# Altium PCB praxis_top_level_pcbdoc_v1.PcbDoc (part 1 of 2) (continued)
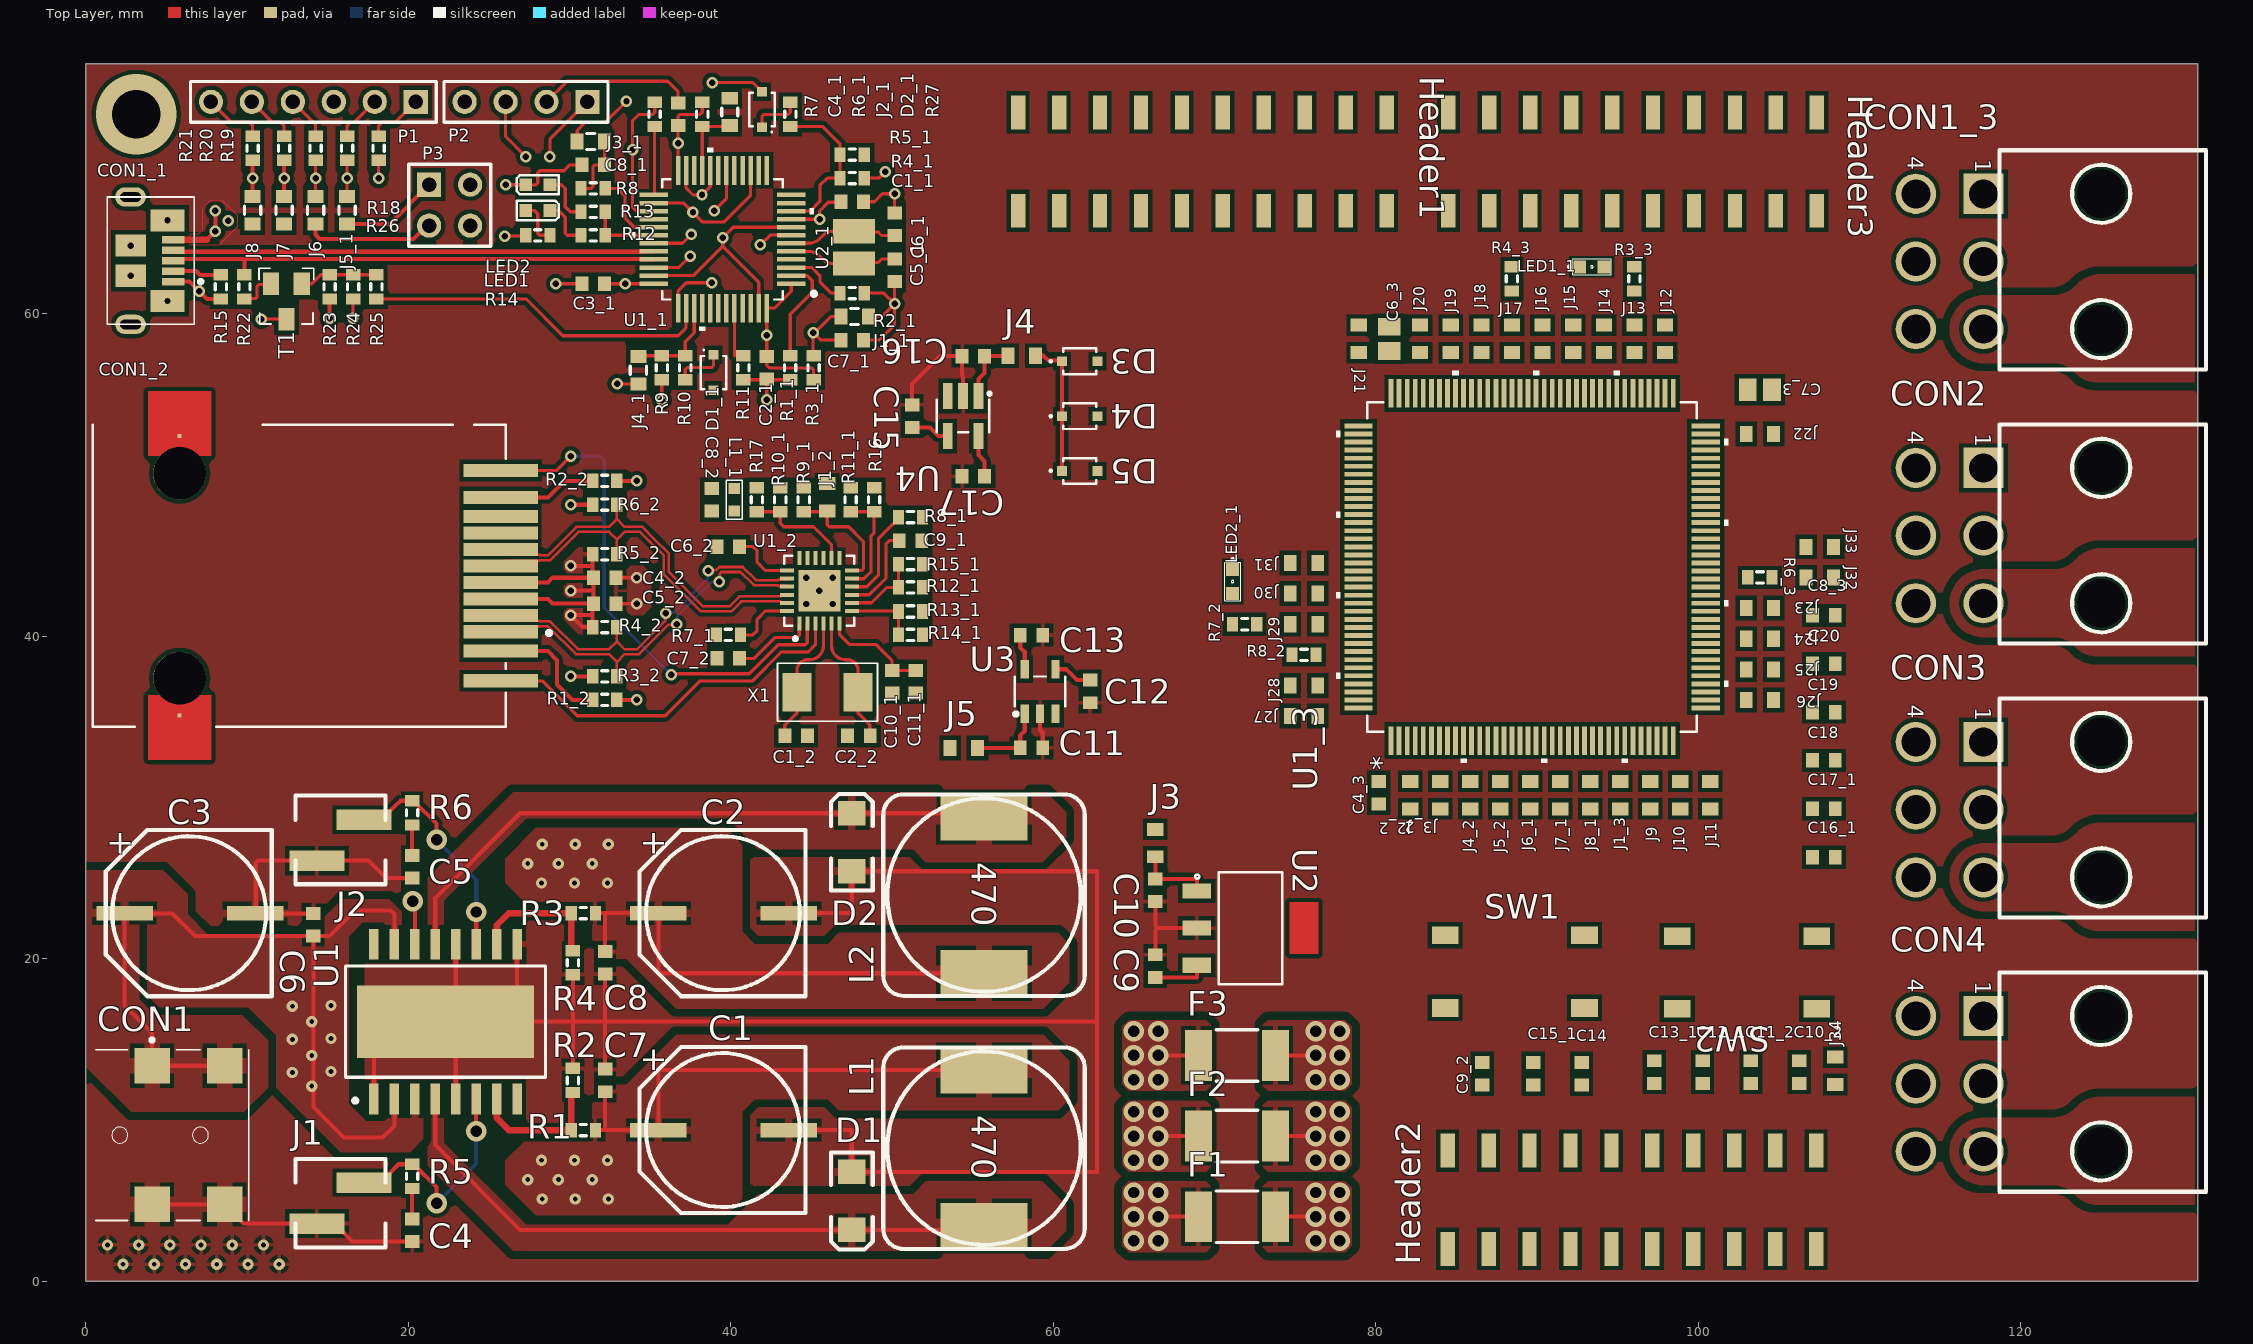
[diagram p0: Top Layer view]
## Footprints (in the part's own frame and the unit in brackets; to place one, negate y for a bottom-side part, rotate by r counter-clockwise, add the part's x,y. Pads: shape width x height; smd on the part's side, far side on the other; paste and mask are expansions set on the pad) (continued)
  silkscreen extent -228,-223 223,223, body extent -181,-181 181,181, height 63
STM32F746ZGT6 [mm]
  rect 1.762x0.299 smd paste+0 mask+0: 1(-10.769,8.75) 2(-10.769,8.25) 3(-10.769,7.75) 4(-10.769,7.25) 5(-10.769,6.75) 6(-10.769,6.25) 7(-10.769,5.75) 8(-10.769,5.25) 9(-10.769,4.75) 10(-10.769,4.25) 11(-10.769,3.75) 12(-10.769,3.25) 13(-10.769,2.75) 14(-10.769,2.25) 15(-10.769,1.75) 16(-10.769,1.25) 17(-10.769,0.75) 18(-10.769,0.25) 19(-10.769,-0.25) 20(-10.769,-0.75) 21(-10.769,-1.25) 22(-10.769,-1.75) 23(-10.769,-2.25) 24(-10.769,-2.75) 25(-10.769,-3.25) 26(-10.769,-3.75) 27(-10.769,-4.25) 28(-10.769,-4.75) 29(-10.769,-5.25) 30(-10.769,-5.75) 31(-10.769,-6.25) 32(-10.769,-6.75) 33(-10.769,-7.25) 34(-10.769,-7.75) 35(-10.769,-8.25) 36(-10.769,-8.75) 73(10.769,-8.75) 74(10.769,-8.25) 75(10.769,-7.75) 76(10.769,-7.25) 77(10.769,-6.75) 78(10.769,-6.25) 79(10.769,-5.75) 80(10.769,-5.25) 81(10.769,-4.75) 82(10.769,-4.25) 83(10.769,-3.75) 84(10.769,-3.25) 85(10.769,-2.75) 86(10.769,-2.25) 87(10.769,-1.75) 88(10.769,-1.25) 89(10.769,-0.75) 90(10.769,-0.25) 91(10.769,0.25) 92(10.769,0.75) 93(10.769,1.25) 94(10.769,1.75) 95(10.769,2.25) 96(10.769,2.75) 97(10.769,3.25) 98(10.769,3.75) 99(10.769,4.25) 100(10.769,4.75) 101(10.769,5.25) 102(10.769,5.75) 103(10.769,6.25) 104(10.769,6.75) 105(10.769,7.25) 106(10.769,7.75) 107(10.769,8.25) 108(10.769,8.75)
  rect 0.299x1.762 smd paste+0 mask+0: 37(-8.75,-10.769) 38(-8.25,-10.769) 39(-7.75,-10.769) 40(-7.25,-10.769) 41(-6.75,-10.769) 42(-6.25,-10.769) 43(-5.75,-10.769) 44(-5.25,-10.769) 45(-4.75,-10.769) 46(-4.25,-10.769) 47(-3.75,-10.769) 48(-3.25,-10.769) 49(-2.75,-10.769) 50(-2.25,-10.769) 51(-1.75,-10.769) 52(-1.25,-10.769) 53(-0.75,-10.769) 54(-0.25,-10.769) 55(0.25,-10.769) 56(0.75,-10.769) 57(1.25,-10.769) 58(1.75,-10.769) 59(2.25,-10.769) 60(2.75,-10.769) 61(3.25,-10.769) 62(3.75,-10.769) 63(4.25,-10.769) 64(4.75,-10.769) 65(5.25,-10.769) 66(5.75,-10.769) 67(6.25,-10.769) 68(6.75,-10.769) 69(7.25,-10.769) 70(7.75,-10.769) 71(8.25,-10.769) 72(8.75,-10.769) 109(8.75,10.769) 110(8.25,10.769) 111(7.75,10.769) 112(7.25,10.769) 113(6.75,10.769) 114(6.25,10.769) 115(5.75,10.769) 116(5.25,10.769) 117(4.75,10.769) 118(4.25,10.769) 119(3.75,10.769) 120(3.25,10.769) 121(2.75,10.769) 122(2.25,10.769) 123(1.75,10.769) 124(1.25,10.769) 125(0.75,10.769) 126(0.25,10.769) 127(-0.25,10.769) 128(-0.75,10.769) 129(-1.25,10.769) 130(-1.75,10.769) 131(-2.25,10.769) 132(-2.75,10.769) 133(-3.25,10.769) 134(-3.75,10.769) 135(-4.25,10.769) 136(-4.75,10.769) 137(-5.25,10.769) 138(-5.75,10.769) 139(-6.25,10.769) 140(-6.75,10.769) 141(-7.25,10.769) 142(-7.75,10.769) 143(-8.25,10.769) 144(-8.75,10.769)
  silkscreen extent -12.16,-12.16 12.16,12.16, body extent -11,-11 11,11, height 1.88
TVDM04 [mm]
  rect 1.65x1.1 smd: 1(0,4.5) 2(0,0) 3(8.65,4.5) 4(8.65,0)
  body extent -0.17,-0.77 8.82,5.22, height 4.3
USB_1051640001 [mm]
  rect 1.38x0.45 smd: 1(0,0) 2(0,0.65) 3(0,1.3) 4(0,1.95) 5(0,2.6)
  oval 1.9x1.2 hole 0.6 slot 1.3 at 0 deg: 6(-2.65,-2.65) 6(-2.65,5.25)
  rect 1.9x1.38 smd: 6(-2.65,0.36) 6(-2.65,2.24)
  rect 2.1x1.38 smd: 6(-0.36,-1.2) 6(-0.36,3.8)
  silkscreen extent -4.1,-2.65 1.8,5.25, body extent -5.1,-2.8 0.33,5.4, height 2.73

## Part data
C1 C2: "Capacitor 470uf electrolitico", Capacitance=470uF, Case/Package=Radial, ESR (Equivalent Series Resistance)=150mR, Leakage Current=3uA, Manufacturer=Panasonic, Max Operating Temperature=105°C, Min Operating Temperature=-40°C, Package Quantity=1, Ripple Current=670mA, Tolerance=20%, Voltage=25V, Category="Aluminum Electrolytic Capacitors", Contact Plating=Tin, Diameter=10mm, Height=10.2mm, Height - Seated (Max)=0.402inch, Impedance=150mR, Lead Diameter=0.9mm, Lead Free="Lead Free", Lead Pitch=4.6mm, Length=10.5mm, Life (Hours)=1000Hour, Manufacturer Part Number=EEEFC1E471P, Material=Aluminium, Mount="Surface Mount,PCB", Packaging="Tape and Reel", Radiation Hardening=No, REACH SVHC="No SVHC", Ripple Current (AC)=670mA, Termination=SMD/SMT, Voltage Rating=25V, Voltage Rating (DC)=25V, Width=900um
C1_1 C1_2 C2_1 C2_2 C3_1 C4 C4_1 C4_2 C4_3 C5 C5_1 C5_2 C6 C6_1 C6_2 C7 C7_1 C7_2 C8 C8_1 C8_2 C8_3 C9 C9_1 C9_2 C10 C10_1 C10_2 C11 C11_1 C11_2 C12 C12_1 C13 C13_1 C14 C15 C15_1 C16 C16_1 C17 C17_1 C18 C19 C20: "Capacitor (Semiconductor SIM Model)", LatestRevisionDate=29-May-2009, LatestRevisionNote="IPC-7351 Footprint Added.", PackageDescription="Chip Capacitor", PackageReference=C1206, Published=8-Jun-2000, Publisher="Altium Limited"
C3: "Capacitor 220uf electrolitico", Capacitance=220uF, Case/Package=Radial, Dielectric Material=Aluminium, ESR (Equivalent Series Resistance)=180mR, Leakage Current=3uA, Manufacturer=Panasonic, Manufacturer Part Number=EEE-FK1H221P, Max Operating Temperature=105°C, Min Operating Temperature=-55°C, Package Quantity=500, Ripple Current=670mA, Tolerance=20%, Voltage=50V, Category="Aluminum Electrolytic Capacitors", Contact Plating=Tin, Diameter=10mm, Height=10.2mm, Height - Seated (Max)=0.413inch, Impedance=180mR, Lead Free="Lead Free", Length=10.2mm, Life (Hours)=2000Hour, Material=Aluminium, Mount="Surface Mount,PCB", Number of Pins=2, Packaging="Tape and Reel", Polarity=Polar, Radiation Hardening=No, REACH SVHC="No SVHC", Ripple Current (AC)=670mA, Termination=SMD/SMT, Voltage Rating=50V, Voltage Rating (DC)=50V, Width=12mm
C6_3 C7_3: "Polarized Capacitor (Surface Mount)", LatestRevisionDate=29-May-2009, LatestRevisionNote="IPC-7351 Footprint Added.", PackageDescription="Chip Capacitor", PackageReference=C0805, Published=8-Jun-2000, Publisher="Altium Limited"
CON1: library part 694103107102, "CONN PWR JACK DC RA SMD", Color=Black, Current Rating=5A, Flammability Rating="UL94 V-0", Insulation Resistance=100MR, Manufacturer="Wurth Electronics", Max Operating Temperature=85°C, Min Operating Temperature=-40°C, Package Quantity=500, Voltage Rating=18V, Category=Connectors, ComponentLink1Description=http://www.mouser.com/ds/2/445/6941xx107102-469263.pdf?src-supplier=Mouser, ComponentLink1URL=http://www.mouser.com/ds/2/445/6941xx107102-469263.pdf?src-supplier=Mouser, ComponentLink2Description=http://www.farnell.com/cad/2130962.pdf?src-supplier=Element14, ComponentLink2URL=http://www.farnell.com/cad/2130962.pdf?src-supplier=Element14, Connector Type=Jack,Power, Contact Gender=Female, Contact Material="Copper Alloy", Contact Plating=Tin, Gender=Male, Housing Material=Polyamide, Manufacturer Part Number=694103107102, Mount="Surface Mount", Packaging="Tape and Reel", Pricing 1="1=1,56000, 10=1,48500, 50=1,32600, 100=1,22000 (USD)", REACH SVHC=Unknown, RoHS=Yes, Shielding=Unshielded, Stock 1=467, Supplier 1=Digi-Key, Termination=SMD/SMT, Voltage Rating (DC)=18V
CON1_1: "USB MICRO", Color=Black, Current Rating=1.8A, Flammability Rating="UL94 V-0", Manufacturer=Molex, Manufacturer Part Number=105164-0001, Max Operating Temperature=85°C, Max Voltage Rating (AC)=30V, Min Operating Temperature=-35°C, Package Quantity=6500, Category="USB Connectors", Connector Type=USB, Contact Material="Copper Alloy", Contact Plating=Gold, Depth=5.15mm, Gender=Receptacle, Halogen Free="Low Halogen", Housing Material=Polymer, Insulation Color=Black, Length=7.5mm, Mating Cycles=10000, Mount="Surface Mount,Through Hole,Horizontal", Number of Circuits=5, Number of Contacts=5, Number of Ports=1, Number of Terminals=5, Orientation="Right Angle", Packaging="Tape and Reel", Pitch=0.65mm, Plating=Tin, Radiation Hardening=No, REACH SVHC="No SVHC", Shielding=Shielded, Supplier 1=Digi-Key, Termination=Solder, USB Standard="USB 2.0", Voltage Rating (AC)=30V
CON1_2: library part ARJE-0034_MOD, "CONECTOR RJ45 MAGNETICO", Color=Green,Yellow, Current Rating=8mA, Manufacturer=Abracon, Max Operating Temperature=70°C, Min Operating Temperature=0°C, Package Quantity=1, Category="Modular / Ethernet Connectors", Connector Type=RJ45, Direction=Up, Gender=Male, Lead Free="Lead Free", Manufacturer Part Number=ARJE-0034, Mount="Surface Mount", Number of Contacts=8, Number of Cores per Jack=4, Number of Ports=1, Number of Positions=12, Number of Rows=1, Orientation="Right Angle", Packaging="Tape and Reel", Pitch=1.02mm, Radiation Hardening=No, Shielding=Shielded, Termination=Solder
CON1_3 CON2 CON3 CON4: "Conector hembra de 6 posiciones molex", Current Rating=8A, Manufacturer=Molex, Manufacturer Part Number=45732-0001, Max Operating Temperature=105°C, Min Operating Temperature=-40°C, Package Quantity=300, Voltage Rating=600V, Category="Headers and Wire Housings", Contact Material=Brass, Contact Plating=Tin, Gender=Male, Housing Material=Thermoplastic, Mount="Through Hole", Number of Contacts=6, Number of Positions=6, Number of Rows=2, Orientation="Right Angle", Packaging=Tray, Pitch=4.2mm, Radiation Hardening=No, Row Spacing=4.2mm, Termination=Solder
D1 D2: "Diodo schottky 60V 2A", Average Rectified Current=2A, Case/Package=SMA, Forward Voltage=750mV, Manufacturer=Vishay, Manufacturer Part Number="SS26SHE3\"A/H", Max Forward Surge Current (Ifsm)=40A, Max Operating Temperature=150°C, Max Repetitive Reverse Voltage (Vrrm)=60V, Min Operating Temperature=-55°C, Package Quantity=1800, Peak Reverse Current=10mA, Category="Rectifier Diodes", Element Configuration=Single, Forward Current=2A, Height=2.29mm, Lead Free="Lead Free", Length=4.5mm, Max Reverse Voltage (DC)=60V, Mount="Surface Mount", Number of Pins=2, Packaging="Tape and Reel", Peak Non-Repetitive Surge Current=40A, Radiation Hardening=No, Reverse Voltage (DC)=60V, Termination=SMD/SMT, Weight=0.001199oz, Width=2.79mm
D1_1 D2_1 D3 D4 D5: "DIODO SCHOTTKY", Manufacturer=Nexperia, Manufacturer Part Number=PMEG1030EJ,115
Header1 Header2 Header3: "Header Female 20 pins - double row smd"
J1 J2: "JUMPER SMD Pitch  2.54mm", Color=Black, Manufacturer=Samtec, Manufacturer Part Number=TSM-102-01-L-SV-TR, Max Current Rating=7A, Max Operating Temperature=125°C, Max Voltage Rating (AC)=475V, Min Operating Temperature=-55°C, Category="Headers and Wire Housings", Connector Type="Male Pin", Contact Material=Bronze, Contact Mating Length=0.23inch, Contact Plating=Gold, Depth=2.54mm, Gender=Male, Housing Color=Black, Housing Material=Polymer, Lead Free="Lead Free", Length=5.08mm, Mount="Surface Mount", Number of Contacts=2, Number of Positions=2, Number of Rows=1, Orientation=Straight, Packaging="Tape and Reel", Pitch=2.54mm, Radiation Hardening=No, REACH SVHC="No SVHC", Termination=Solder
L1 L2: "Inductor fijo con nucleo.", Case/Package=Nonstandard, Current Rating=2A, DC Resistance (DCR)=135mR, Frequency=13MHz, Inductance=47uH, Inductance Tolerance=20%, Manufacturer=Bourns, Max Operating Temperature=125°C, Min Operating Temperature=-40°C, Package Quantity=800, Resistance=135MR, Saturation Current=1.8A, Test Frequency=100kHz, Category="Fixed Inductors", Composition=Wirewound, Core Material=Ferrite, DC Current=2A, Depth=12.8mm, Height=4mm, Height - Seated (Max)=0.177inch, Length=12.5mm, Manufacturer Part Number=SRR1240-470M, Material=Steel, Max DC Current=2A, Military Standard=Not, Mount="Surface Mount", Packaging="Cut Tape", Q Factor=19, Radiation Hardening=No, REACH SVHC="No SVHC", RMS Current (Irms)=2A, Self Resonant Frequency=13MHz, Shielding=Shielded, Termination=SMD/SMT, Tolerance=20%, Width=12.5mm
L1_1: "FIXED IND 100UH 80MA 5.5 OHM SMD", Case Code (Imperial)=0603, Case Code (Metric)=1608, Current Rating=25mA, DC Current=80mA, DC Resistance (DCR)=5.5R, Inductance=100uH, Manufacturer=TDK, Manufacturer Part Number=GLFR1608T101M-LR, Max Operating Temperature=105°C, Min Operating Temperature=-40°C, Package Quantity=4000, Tolerance=20%, Case/Package=0603, Category="Fixed Inductors", ComponentLink1Description=https://datasheet.ciiva.com/1040/glfrseries-1040797.pdf?src-supplier=Digi-Key, ComponentLink1URL=https://datasheet.ciiva.com/1040/glfrseries-1040797.pdf?src-supplier=Digi-Key, ComponentLink2Description=https://datasheet.ciiva.com/1040/glfrseries-1040798.pdf?src-supplier=Digi-Key, ComponentLink2URL=https://datasheet.ciiva.com/1040/glfrseries-1040798.pdf?src-supplier=Digi-Key, ComponentLink3Description=https://datasheet.ciiva.com/1040/glfrseries-1040799.pdf?src-supplier=Digi-Key, ComponentLink3URL=https://datasheet.ciiva.com/1040/glfrseries-1040799.pdf?src-supplier=Digi-Key, Depth=1mm, Height=0.031inch, Lead Free="Lead Free", Length=0.063inch, Max DC Current=80mA, Military Standard=Not, Mount="Surface Mount", Packaging="Tape and Reel", Pricing 1="1=0,27000, 10=0,24400, 100=0,16760, 500=0,14324, 1000=0,10971 (USD)", RoHS=Yes, Saturation Current=25mA, Shielding=Shielded, Stock 1=31108, Supplier 1=Digi-Key, Termination=SMD/SMT, Width=0.8mm
LED1: "DIODO LED VERDE", Case Code (Imperial)=0603, Case Code (Metric)=1608, Color=Green, Forward Current=25mA, Forward Voltage=3.2V, Lens Color=Colorless, Manufacturer="Vishay Lite-On", Max Operating Temperature=80°C, Min Operating Temperature=-20°C, Package Quantity=1, Power Dissipation=76mW, Reverse Voltage=5V, Test Current=20mA, Case/Package=0603, Category=LEDs, Depth=0.8mm, Dominant Wavelength=530nm, Height=0.55mm, Illumination Color=Green, Lead Free="Lead Free", Length=1.6mm, Lens Style=Clear,Diffused,Colorless,Rectangular, Lens Transparency=Clear, Luminous Intensity=450mcd, Manufacturer Part Number=LTST-C191TGKT, Mount="Surface Mount", Number of Elements=1, Number of LEDs=1, Number of Pins=2, Packaging="Tape and Reel", Radiation Hardening=No, Viewing Angle=130°, Wavelength=530nm, Width=0.8mm
LED1_1 LED2 LED2_1: "DIODO LED ROJO", Case Code (Imperial)=0603, Case Code (Metric)=1608, Color=Red, Forward Current=30mA, Forward Voltage=2V, Lens Color=Colorless, Manufacturer="Vishay Lite-On", Max Operating Temperature=85°C, Min Operating Temperature=-55°C, Package Quantity=1, Power Dissipation=75mW, Reverse Voltage=5V, Test Current=20mA, Case/Package=0603, Category=LEDs, Depth=0.8mm, Dominant Wavelength=631nm, Height=0.55mm, Illumination Color=Red, Lead Free="Lead Free", Length=1.6mm, Lens Style=Clear,Diffused,Colorless,Rectangular, Lens Transparency=Clear, Luminous Intensity=54mcd, Manufacturer Part Number=LTST-C191KRKT, Mount="Surface Mount", Number of Elements=1, Number of LEDs=1, Number of Pins=2, Packaging="Tape and Reel", Power Rating=75mW, Radiation Hardening=No, Viewing Angle=130°, Voltage=2V, Wavelength=639nm, Width=0.8mm
P1: "Header, 6-Pin", LatestRevisionDate=17-Jul-2002, LatestRevisionNote="Re-released for DXP Platform.", Publisher="Altium Limited"
P2: "Header, 4-Pin", LatestRevisionDate=17-Jul-2002, LatestRevisionNote="Re-released for DXP Platform.", Publisher="Altium Limited"
P3: "Header, 2-Pin X 2"
R1 R1_1 R1_2 R2 R2_1 R2_2 R3 R3_1 R3_2 R4 R4_1 R4_2 R5 R5_1 R5_2 R6 R6_1 R6_2 R7 R7_1 R8 R8_1 R8_2 R9 R9_1 R10 R10_1 R11 R11_1 R12 R12_1 R13 R13_1 R14 R14_1 R15 R15_1 R16 R17 R18 R19 R20 R21 R22 R23 R24 R25 R26 R27: "Resistor", LatestRevisionDate=29-May-2009, LatestRevisionNote="IPC-7351 Footprint Added.", PackageDescription="Chip Resistor", PackageReference=J1-0603, Published=8-Jun-2000, Publisher="Altium Limited"
R3_3 R4_3 R6_3 R7_2: library part Res3, "Resistor", LatestRevisionDate=29-May-2009, LatestRevisionNote="IPC-7351 Footprint Added.", PackageDescription="Chip Resistor", PackageReference=J1-0603, Published=8-Jun-2000, Publisher="Altium Limited"
SW1 SW2: library part SWITCH, "TVDM04"
T1: "Transistor NPN 40V 0.8A SOT23", Case/Package=SOT-23, Collector Emitter Breakdown Voltage=40V, Current Rating=800mA, Manufacturer=Philips, Power Dissipation=350mW, Category=BJTs, Lead Free="Lead Free", Manufacturer Part Number=BSR14, Number of Pins=3, Packaging="Cut Tape", Polarity=NPN, REACH SVHC="No SVHC", Voltage Rating (DC)=40V
U1: library part SPI-8001TW-TL, "IC REG BUCK ADJ 1.5A DL 16-HSOP", Case/Package=SOIC, Manufacturer="Allegro MicroSystems Sanken", Max Input Voltage=20V, Max Operating Temperature=135°C, Max Output Voltage=16V, Min Input Voltage=4V, Min Operating Temperature=-30°C, Min Output Voltage=1V, Output Current=1.5A, Package Quantity=1400, Supplier Part Number 1=SPI-8001TW-TLCT-ND, Switching Frequency=250kHz, Category="Voltage Regulators - Switching", ComponentLink1Description=https://datasheet.ciiva.com/29734/spi-8001tw-ds-en-29734001.pdf?src-supplier=Digi-Key, ComponentLink1URL=https://datasheet.ciiva.com/29734/spi-8001tw-ds-en-29734001.pdf?src-supplier=Digi-Key, ComponentLink2Description=https://datasheet.ciiva.com/29733/h1-o03eh0-29733998.pdf?src-supplier=Digi-Key, ComponentLink2URL=https://datasheet.ciiva.com/29733/h1-o03eh0-29733998.pdf?src-supplier=Digi-Key, ComponentLink3Description=https://datasheet.ciiva.com/29733/h1-o03eh0-29733994.pdf?src-supplier=Digi-Key, ComponentLink3URL=https://datasheet.ciiva.com/29733/h1-o03eh0-29733994.pdf?src-supplier=Digi-Key, Manufacturer Part Number=SPI-8001TW-TL, Mount="Surface Mount", Number of Outputs=2, Number of Pins=16, Output Configuration=Positive, Output Type=Adjustable, Packaging="Tape and Reel", Pricing 1="1=3,10000, 10=2,78500, 25=2,63240, 100=2,16450, 250=1,94220, 500=1,87200 (USD)", RoHS=Yes, Stock 1=1392, Supplier 1=Digi-Key, Synchronous Rectifier=No
U1_1: Case/Package=LQFP, Frequency=72MHz, Manufacturer=STMicroelectronics, Max Operating Temperature=85°C, Max Power Dissipation=363mW, Max Supply Voltage=3.6V, Min Operating Temperature=-40°C, Min Supply Voltage=2V, Package Quantity=250, Address Bus Width=32b, Category=Microcontrollers, Contact Plating=Gold, Core Architecture=ARM, Data Bus Width=32b, Density=128KB, Height=1.45mm, Interface=I2C,SPI,USB,CAN,IrDA,UART,USART,LIN, Lead Free="Lead Free", Length=7mm, Manufacturer Part Number=STM32F103CBT6, Max Frequency=72MHz, Memory Size=128KB, Memory Type=FLASH, Number of ADC Channels=10, Number of Bits=32, Number of I2C Channels=2, Number of I/Os=37, Number of Pins=48, Number of Programmable I/O=37, Number of PWM Channels=12, Number of SPI Channels=2, Number of Timers/Counters=4, Oscillator Type=Internal, Packaging=Tray, Peripherals="POR,PWM,WDT,DMA,Temp Sensor,I2C", Radiation Hardening=No, RAM Size=20KB, REACH SVHC="No SVHC", Termination=SMD/SMT, Watchdog Timer=Yes, Width=7.2mm
U1_2: library part LAN8742A-CZ_MOD, "IC TRANSCEIVER 1/1 24SQFN", Manufacturer=Microchip, Category="Interface ICs", Manufacturer Part Number=LAN8742A-CZ
U1_3: "ARM Microcontrollers - MCU High-performance and DSP with FPU, ARM Cortex-M7 MCU with 1 Mbytes Flash, 200 MHz CPU, Art Accelerator, L1 cache, SDRAM", Case/Package=LQFP, Frequency=216MHz, Manufacturer=STMicroelectronics, Max Operating Temperature=85°C, Max Supply Voltage=3.6V, Min Operating Temperature=-40°C, Min Supply Voltage=1.7V, Category=Microcontrollers, ComponentLink1Description=http://www.alliedelec.com/images/products/datasheets/bm/STMICROELECTRONICS/70612621.pdf?src-supplier=Allied+Electronics, ComponentLink1URL=http://www.alliedelec.com/images/products/datasheets/bm/STMICROELECTRONICS/70612621.pdf?src-supplier=Allied+Electronics, ComponentLink2Description=http://www.farnell.com/datasheets/2309059.pdf?src-supplier=Farnell, ComponentLink2URL=http://www.farnell.com/datasheets/2309059.pdf?src-supplier=Farnell, ComponentLink3Description=http://www.mouser.com/ds/2/389/stm32f745ie-956321.pdf?src-supplier=Mouser, ComponentLink3URL=http://www.mouser.com/ds/2/389/stm32f745ie-956321.pdf?src-supplier=Mouser, ComponentLink4Description=http://www.st.com/content/ccc/resource/technical/document/errata_sheet/4d/39/a6/8c/84/47/47/67/DM00145382.pdf/files/DM00145382.pdf/jcr:content/translations/en.DM00145382.pdf?src-supplier=Digi-Key, ComponentLink4URL=http://www.st.com/content/ccc/resource/technical/document/errata_sheet/4d/39/a6/8c/84/47/47/67/DM00145382.pdf/files/DM00145382.pdf/jcr:content/translations/en.DM00145382.pdf?src-supplier=Digi-Key, ComponentLink5Description=http://www.farnell.com/datasheets/2309059.pdf?src-supplier=Newark, ComponentLink5URL=http://www.farnell.com/datasheets/2309059.pdf?src-supplier=Newark, ComponentLink6Description=http://www.farnell.com/datasheets/2006547.pdf?src-supplier=Element14, ComponentLink6URL=http://www.farnell.com/datasheets/2006547.pdf?src-supplier=Element14, Core Architecture=ARM, Data Bus Width=32b, Data Rate=480Mbps, Height=1.45mm, Interface=I2C,SPI,USB,CAN,Ethernet,IrDA,SD,UART,USART,LIN,EBI/EMI, Lead Free="Lead Free", Length=20.2mm, Manufacturer Part Number=STM32F746ZGT6, Max Frequency=216MHz, Memory Size=1MB, Memory Type=FLASH,OTP, Mount="Surface Mount", Number of ADC Channels=24, Number of I/Os=114, Number of Pins=144, Number of PWM Channels=6, Number of Timers/Counters=15, Number of USB Channels=2, Oscillator Type=Internal, Packaging=Tray, Peripherals="Brown-out Detect/Reset,POR,PWM,WDT,DMA,LCD", Pricing 1="60=9,23015, 62=8,97375, 122=8,73122, 300=8,50146, 600=8,28347 (USD)", RAM Size=320KB, REACH SVHC="No SVHC", RoHS=Yes, Stock 1=360, Supplier 1=Avnet, Supplier Part Number 1=STM32F746ZGT6, Width=20.2mm
U2: "MCP1825 Series 500 mA Low Quiescent Current LDO Regulator - SOT-223-3", Manufacturer=Microchip, Manufacturer Part Number=MCP1825S-3302E/DB, Supplier Part Number 1=MCP1825S-3302E/DB-ND, Category="Voltage Regulators - Linear", ComponentLink1Description=https://datasheet.ciiva.com/2040/22056b-2040962.pdf?src-supplier=Digi-Key, ComponentLink1URL=https://datasheet.ciiva.com/2040/22056b-2040962.pdf?src-supplier=Digi-Key, ComponentLink2Description=https://datasheet.ciiva.com/16369/filehandler-aspxddocname-en531698-16369574.pdf?src-supplier=Future+Electronics, ComponentLink2URL=https://datasheet.ciiva.com/16369/filehandler-aspxddocname-en531698-16369574.pdf?src-supplier=Future+Electronics, ComponentLink3Description=https://datasheet.ciiva.com/3224/22056b-3224139.pdf?src-supplier=Avnet, ComponentLink3URL=https://datasheet.ciiva.com/3224/22056b-3224139.pdf?src-supplier=Avnet, ComponentLink4Description=https://datasheet.ciiva.com/8041/514217-8041499.pdf?src-supplier=Element14, ComponentLink4URL=https://datasheet.ciiva.com/8041/514217-8041499.pdf?src-supplier=Element14, Pricing 1="1=0,51000, 25=0,43000, 100=0,39000 (USD)", RoHS=Yes, Stock 1=2086, Supplier 1=Digi-Key
U2_1: library part NX3225GD-8MHZ, "CRISTAL 8MHZ SMD", Case/Package=SMD/SMT, ESR (Equivalent Series Resistance)=500R, Frequency=8MHz, Frequency Stability=150ppm, Frequency Tolerance=50ppm, Load Capacitance=8pF, Manufacturer=NDK, Manufacturer Part Number=NX3225GD-8MHZ-STD-CRA-3, Max Operating Temperature=150°C, Min Operating Temperature=-40°C, Package Quantity=3000, Category=Crystals, Height=0.039inch, Length=0.126inch, Mount="Surface Mount", Number of Pins=2, Packaging="Tape and Reel", Width=0.098inch
U3: "LDO VOLT REG, 0.15A, 3.3V, TSOT-23-5; Input Voltage Min:2.3V; Input Voltage Max:5.5V; Output Voltage Nom.:3.3V; Output Current:150mA; Dropout Voltage Vdo:40mV; LDO Regulator Case Style:TSOT-23; No. of Pins:5; Operating Temperature Min:-40°C; Operating Temperature Max:125°C; Packaging:Cut Tape; MSL:MSL 1 - Unlimited; SVHC:No SVHC (15-Jun-2015)", Manufacturer=Microchip, Supplier Part Number 1=576-2840-1-ND, Category="Voltage Regulators - Linear", ComponentLink1Description=https://datasheet.ciiva.com/2049/mic5301-2049830.pdf?src-supplier=Digi-Key, ComponentLink1URL=https://datasheet.ciiva.com/2049/mic5301-2049830.pdf?src-supplier=Digi-Key, ComponentLink2Description=https://datasheet.ciiva.com/46425/1670788-46425623.pdf?src-supplier=Element14, ComponentLink2URL=https://datasheet.ciiva.com/46425/1670788-46425623.pdf?src-supplier=Element14, Manufacturer Part Number=MIC5301-3.3YD5-TR, Pricing 1="1=0,59000, 25=0,49000, 100=0,45000 (USD)", RoHS=Yes, Stock 1=2373, Supplier 1=Digi-Key
U4: "LDO Regulator Pos 3.3V 0.55A 5-Pin SOT-23 T/R", Case/Package=SOT-23, Dropout Voltage=60mV, Input Bias Current=85uA, Manufacturer=STMicroelectronics, Max Input Voltage=6V, Max Operating Temperature=125°C, Max Output Current=150mA, Min Current Limit=300mA, Min Input Voltage=2.5V, Min Operating Temperature=-40°C, Min Output Voltage=3.3V, Output Voltage Accuracy=2%, Package Quantity=1, Quiescent Current=150uA, Supplier Part Number 1=497-3504-1-ND, Accuracy=2%, Built_By=EMA_UL_Team, Category="Voltage Regulators - Linear", ComponentLink1Description=https://datasheet.ciiva.com/41440/001185181-da-01-en-ic-reg-ldo-3-3v-ld3985m33r-sot-23-5-stm-41440289.pdf?src-supplier=Conrad, ComponentLink1URL=https://datasheet.ciiva.com/41440/001185181-da-01-en-ic-reg-ldo-3-3v-ld3985m33r-sot-23-5-stm-41440289.pdf?src-supplier=Conrad, ComponentLink2Description=https://datasheet.ciiva.com/26905/ld3985m33r-26905032.pdf?src-supplier=IIIC, ComponentLink2URL=https://datasheet.ciiva.com/26905/ld3985m33r-26905032.pdf?src-supplier=IIIC, ComponentLink3Description=https://datasheet.ciiva.com/2042/cd00003395-2042198.pdf?src-supplier=Digi-Key, ComponentLink3URL=https://datasheet.ciiva.com/2042/cd00003395-2042198.pdf?src-supplier=Digi-Key, ComponentLink4Description=https://datasheet.ciiva.com/2042/cd00003395-2042200.pdf?src-supplier=Digi-Key, ComponentLink4URL=https://datasheet.ciiva.com/2042/cd00003395-2042200.pdf?src-supplier=Digi-Key, ComponentLink5Description=https://datasheet.ciiva.com/2042/cd00003395-2042199.pdf?src-supplier=Digi-Key, ComponentLink5URL=https://datasheet.ciiva.com/2042/cd00003395-2042199.pdf?src-supplier=Digi-Key, ComponentLink6Description=https://datasheet.ciiva.com/16591/cd00003395-16591967.pdf?src-supplier=Avnet+Europe, ComponentLink6URL=https://datasheet.ciiva.com/16591/cd00003395-16591967.pdf?src-supplier=Avnet+Europe, Copyright="Copyright (C) 2018 Accelerated Designs. All rights reserved", Height=1.3mm, Lead Free="Lead Free", Length=3mm, Manufacturer Part Number=LD3985M33R, Manufacturer_Part_Number=LD3985M33R, Mount="Surface Mount", Number of Outputs=1, Number of Pins=5, Number of Regulators=1, Output Current=150mA, Output Type=Fixed, Output Voltage=3.3V, Packaging="Tape and Reel", Polarity=Positive, Pricing 1="1=0,60000, 10=0,52800, 25=0,49600, 100=0,37600, 250=0,32000, 500=0,30400, 1000=0,23200 (USD)", Radiation Hardening=No, RefDes=RefDes, RoHS=Yes, Stock 1=4469, Supplier 1=Digi-Key, Type=DEV, Vendor=STMicroelectronics, Width=1.75mm
X1: "E5FA 25.0000 F15 E33"

## Via types
v1: diameter 0.711, hole 0.4, Top Layer to Bottom Layer, 58 vias
v2: diameter 1.27, hole 0.711, Top Layer to Bottom Layer, 41 vias
v3: diameter 0.7, hole 0.3, Top Layer to Bottom Layer, 39 vias
v4: diameter 0.711/0.711 (per signal layer), hole 0.4, Top Layer to Bottom Layer, 5 vias
v5: diameter 5, hole 3, Top Layer to Bottom Layer, 1 vias